# Altium PCB Mag256_9mm.PcbDoc (part 5 of 6) (continued)
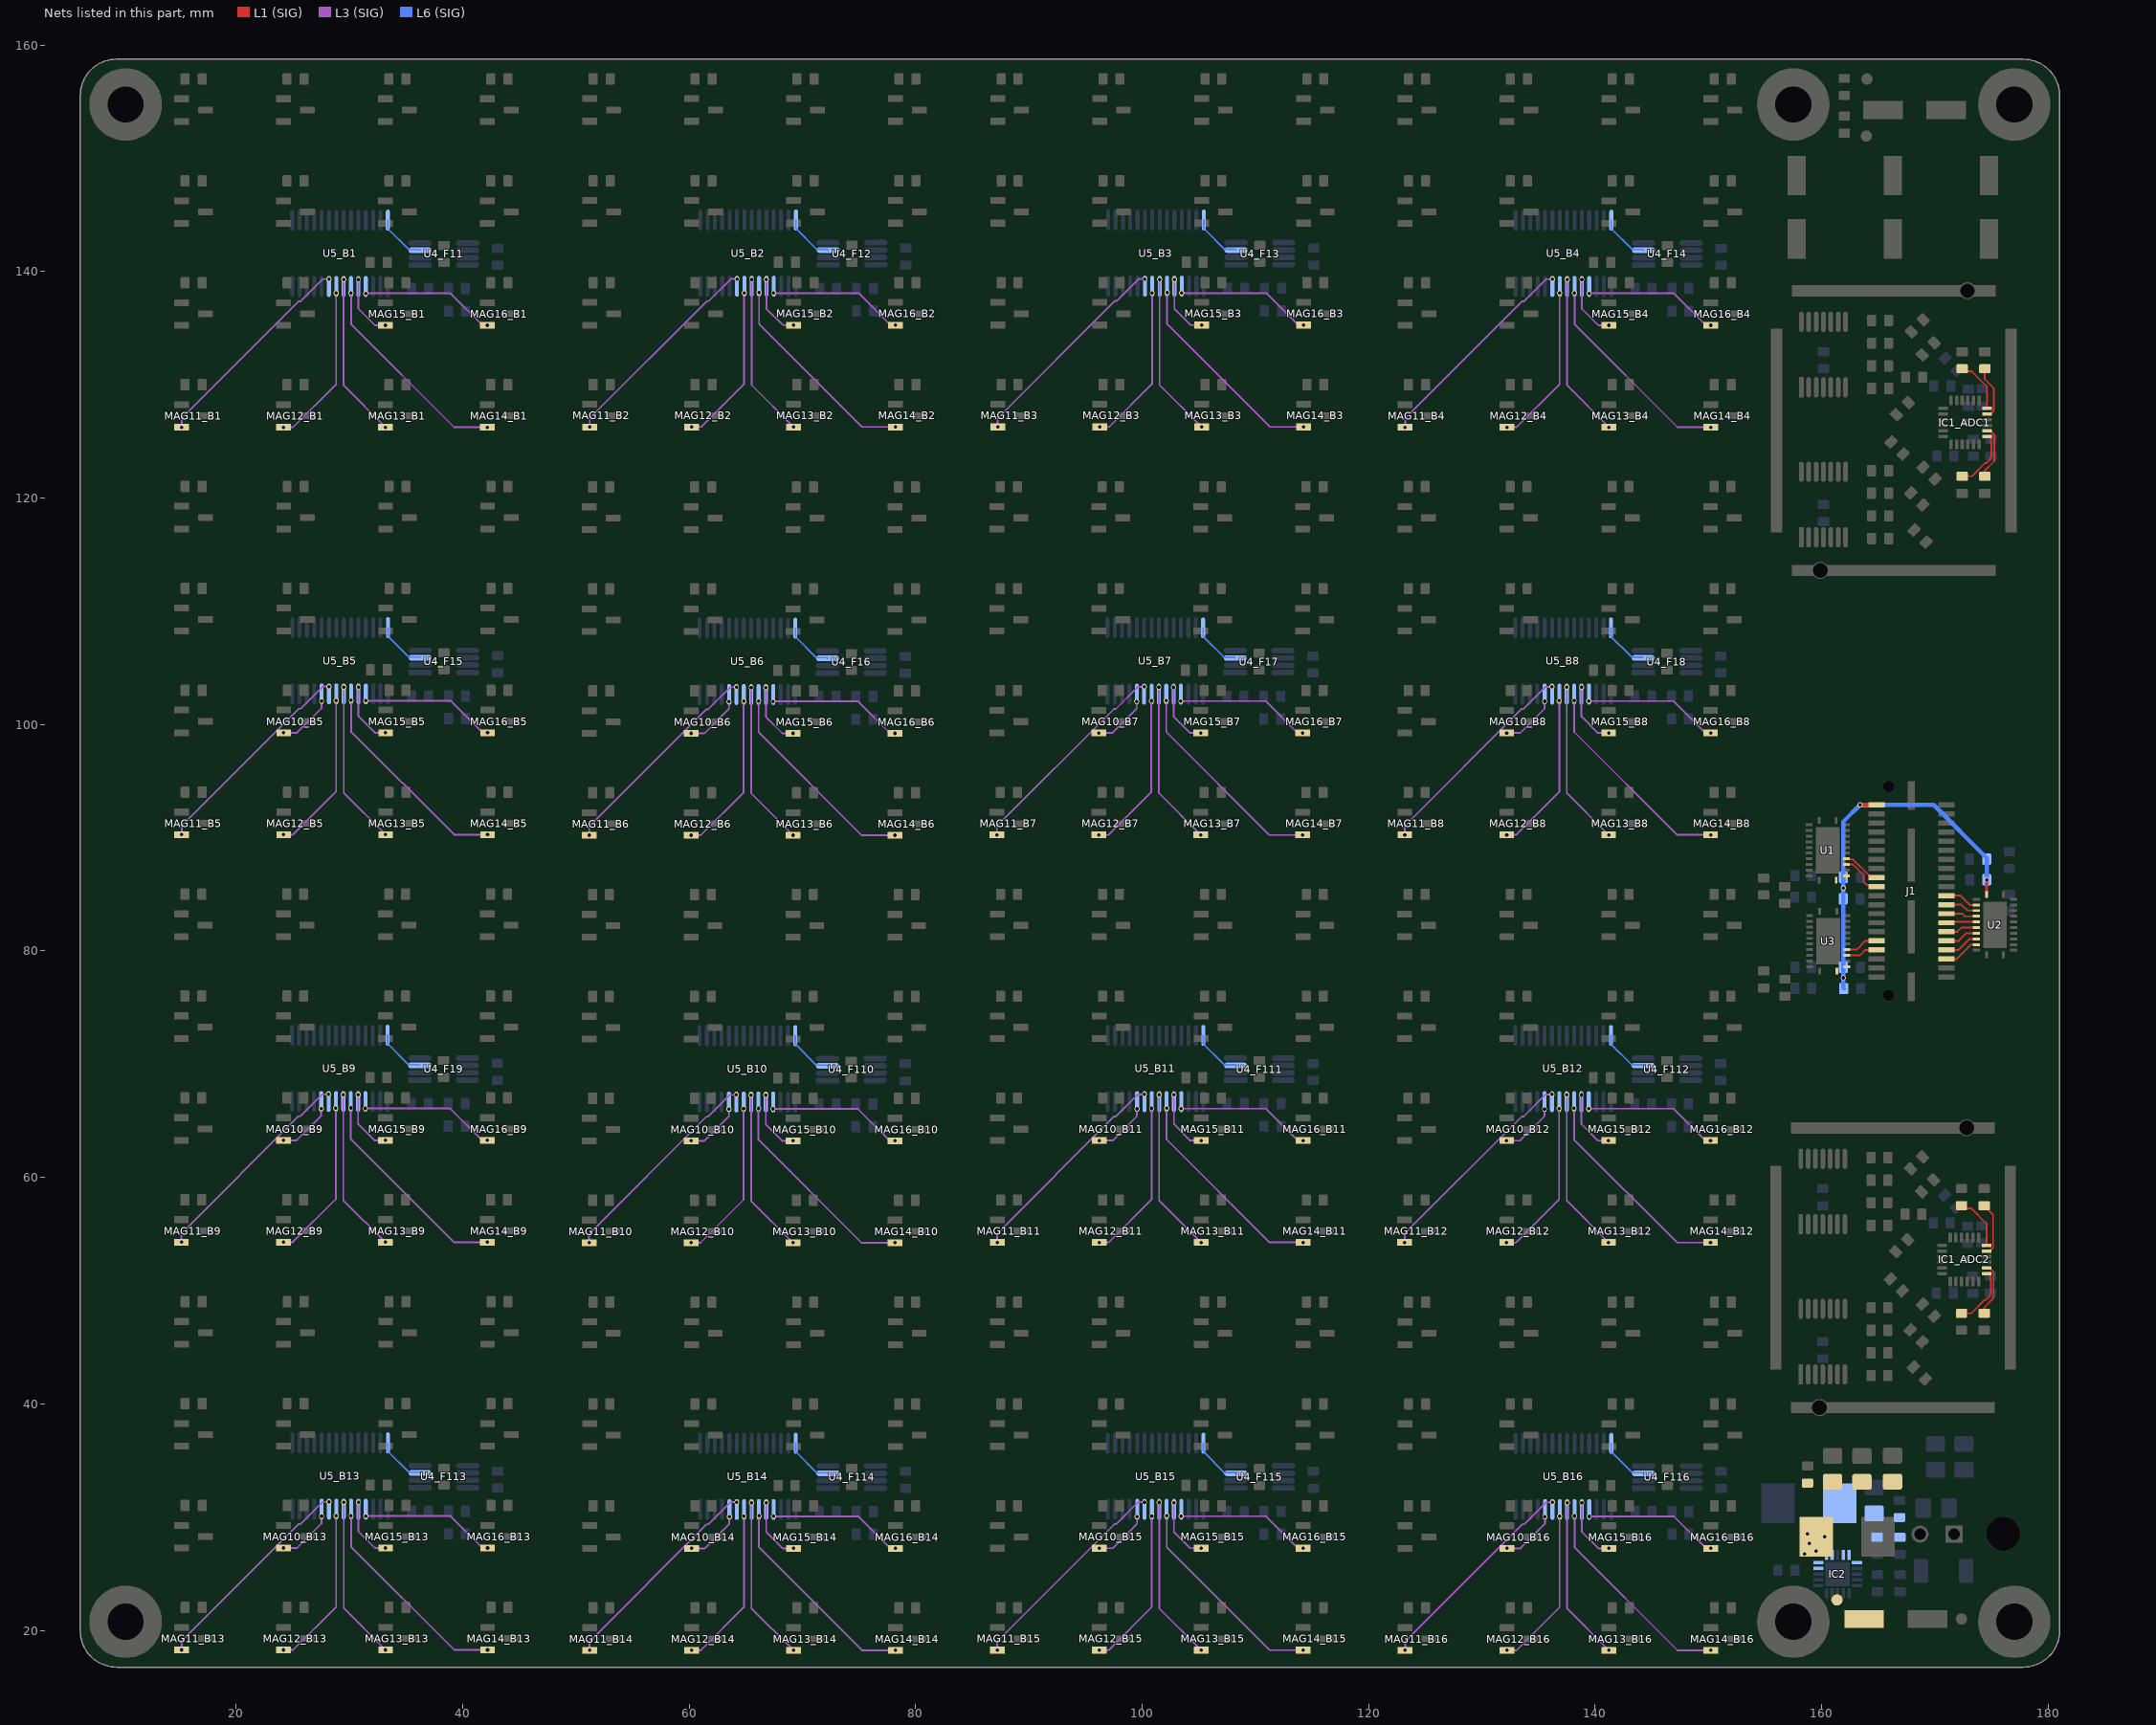
[diagram p9: the nets of this part, all layers, seen from the top]
## Nets (pads, with @x,y where several pads share a name; then routed paths per layer and width w, separated by ;. In a path a pad name is that pad's centre, name@x,y a point inside that pad or via, vN(x,y) a via of type N, cw(c..) or ccw(c..) an arc to the next point about the centre after c; other vN are vias at no path point) (continued)
  L1 (SIG) w0.254: U2.1@174.559,84.97 v1@174.559,86.278
  L1 (SIG) w0.381: v1(163.378,92.887) J1.39@164.834,92.887
  L6 (SIG) w0.381: C34.2@161.94,76.68 161.915,76.705 C33.2@161.915,78.555 161.908,78.562 161.908,84.605 161.913,84.61 161.913,86.475 C25.2@161.926,86.487 161.926,91.435 v1(163.378,92.887) 169.894,92.887 174.565,88.216 C30.2@174.565,88.116 174.566,88.115 v1(174.568,86.286) v1(174.568,86.286)
  other v1: 161.915,77.63 161.913,85.543
Vout: C39.2 C40.2 C45.2 IC2.1 IC2.19 IC2.20 L2.2 R9.2
pads on no net: IC2.5 IC2.12 J1. J1.1 J1.2 J1.3 J1.4 J1.22 J1.24 J1.26 J1.28 J1.30 J1.32 J1.33 J1.34 J1.35 J1.36 J1.37 J1.38 J1.40 J2.3 U1.14 U3.14 U5_B1.2 U5_B1.3 U5_B1.13 U5_B2.2 U5_B2.3 U5_B2.13 U5_B3.2 U5_B3.3 U5_B3.13 U5_B4.2 U5_B4.3 U5_B4.13 U5_B5.2 U5_B5.3 U5_B5.13 U5_B6.2 U5_B6.3 U5_B6.13 U5_B7.2 U5_B7.3 U5_B7.13 U5_B8.2 U5_B8.3 U5_B8.13 U5_B9.2 U5_B9.3 U5_B9.13 U5_B10.2 U5_B10.3 U5_B10.13 U5_B11.2 U5_B11.3 U5_B11.13 U5_B12.2 U5_B12.3 U5_B12.13 U5_B13.2 U5_B13.3 U5_B13.13 U5_B14.2 U5_B14.3 U5_B14.13 U5_B15.2 U5_B15.3 U5_B15.13 U5_B16.2 U5_B16.3 U5_B16.13

## Polygon pours and split planes (outlines as drawn)
GND on L1 (SIG) "NONET_L-01_P-001" (solid, remove dead copper, pour order 642): 1.5,163.25 186.5,163.25 186.5,10.75 1.5,10.75
+3V3 on L1 (SIG) "NONET_L-01_P-001" (solid, pour order 357): 175.926,86.712 175.926,84.662 176.426,84.662 176.651,84.437 177.251,84.437 177.251,86.712
+3V3 on L1 (SIG) "NONET_L-01_P-001" (solid, pour order 360): 159.176,86.762 159.176,86.612 159.251,86.537 159.901,86.537 159.901,85.337 159.576,85.012 158.826,85.012 158.576,85.262 158.576,86.762
VIO on L1 (SIG) "NONET_L-01_P-001" (solid, pour order 361): 161.151,86.537 161.651,86.537 161.876,86.762 162.476,86.762 162.476,85.337 162.176,85.037 161.501,85.037 161.151,85.387
+3V3 on L1 (SIG) "NONET_L-01_P-001" (solid, pour order 362): 159.226,78.737 159.226,78.587 159.301,78.512 159.951,78.512 159.951,77.312 159.626,76.987 158.876,76.987 158.626,77.237 158.626,78.737
VIO on L1 (SIG) "NONET_L-01_P-001" (solid, pour order 363): 161.201,78.512 161.701,78.512 161.926,78.737 162.526,78.737 162.526,77.312 162.226,77.012 161.551,77.012 161.201,77.362
VCC on L1 (SIG) "NONET_L-01_P-001" (solid, pour order 639): 158,25.25 162,21.25 162,20.25 165.5,20.25 165.5,21.75 163,21.75 159.75,25.25
VCC on L1 (SIG) "NONET_L-01_P-001" (solid, pour order 638): 158,25.25 160.25,25.25 160.25,29.25 163.5,32.5 167,32.5 167,33.75 159.75,33.75 159.5,33.5 158.25,33.5 158.25,31.75 158,31.5
+3V3 on L1 (SIG) "NONET_L-01_P-001" (solid, pour order 637): 140.39,31.984 140.774,32.368 140.774,33.484 142.024,33.484 142.024,31.984
+3V3 on L1 (SIG) "NONET_L-01_P-001" (solid, pour order 541): 142.024,28.734 142.024,31.984 140.39,31.984 140.39,28.734
+3V3 on L1 (SIG) "NONET_L-01_P-001" (solid, pour order 621): 151.024,19.734 151.024,22.641 149.39,22.641 149.39,19.734
+3V3 on L1 (SIG) "NONET_L-01_P-001" (solid, pour order 605): 142.024,19.734 142.024,22.641 140.39,22.641 140.39,19.734
+3V3 on L1 (SIG) "NONET_L-01_P-001" (solid, pour order 589): 133.024,19.734 133.024,22.641 131.39,22.641 131.39,19.734
+3V3 on L1 (SIG) "NONET_L-01_P-001" (solid, pour order 573): 124.024,19.734 124.024,22.641 122.39,22.641 122.39,19.734
+3V3 on L1 (SIG) "NONET_L-01_P-001" (solid, pour order 557): 151.024,28.734 151.024,31.641 149.39,31.641 149.39,28.734
+3V3 on L1 (SIG) "NONET_L-01_P-001" (solid, pour order 525): 133.024,28.734 133.024,31.641 131.39,31.641 131.39,28.734
+3V3 on L1 (SIG) "NONET_L-01_P-001" (solid, pour order 509): 124.024,28.734 124.024,31.641 122.39,31.641 122.39,28.734
+3V3 on L1 (SIG) "NONET_L-01_P-001" (solid, pour order 493): 124.024,37.734 124.024,40.641 122.39,40.641 122.39,37.734
+3V3 on L1 (SIG) "NONET_L-01_P-001" (solid, pour order 477): 133.024,37.734 133.024,40.641 131.39,40.641 131.39,37.734
+3V3 on L1 (SIG) "NONET_L-01_P-001" (solid, pour order 461): 142.024,37.734 142.024,40.641 140.39,40.641 140.39,37.734
+3V3 on L1 (SIG) "NONET_L-01_P-001" (solid, pour order 445): 151.024,37.734 151.024,40.641 149.39,40.641 149.39,37.734
+3V3 on L1 (SIG) "NONET_L-01_P-001" (solid, pour order 429): 151.024,46.734 151.024,49.641 149.39,49.641 149.39,46.734
+3V3 on L1 (SIG) "NONET_L-01_P-001" (solid, pour order 413): 142.024,46.734 142.024,49.641 140.39,49.641 140.39,46.734
+3V3 on L1 (SIG) "NONET_L-01_P-001" (solid, pour order 397): 133.024,46.734 133.024,49.641 131.39,49.641 131.39,46.734
+3V3 on L1 (SIG) "NONET_L-01_P-001" (solid, pour order 381): 124.024,46.734 124.024,49.641 122.39,49.641 122.39,46.734
+3V3 on L1 (SIG) "NONET_L-01_P-001" (solid, pour order 636): 104.376,31.999 104.761,32.383 104.761,33.499 106.011,33.499 106.011,31.999
+3V3 on L1 (SIG) "NONET_L-01_P-001" (solid, pour order 540): 106.011,28.749 106.011,31.999 104.376,31.999 104.376,28.749
+3V3 on L1 (SIG) "NONET_L-01_P-001" (solid, pour order 620): 115.011,19.749 115.011,22.656 113.376,22.656 113.376,19.749
+3V3 on L1 (SIG) "NONET_L-01_P-001" (solid, pour order 604): 106.011,19.749 106.011,22.656 104.376,22.656 104.376,19.749
+3V3 on L1 (SIG) "NONET_L-01_P-001" (solid, pour order 588): 97.011,19.749 97.011,22.656 95.376,22.656 95.376,19.749
+3V3 on L1 (SIG) "NONET_L-01_P-001" (solid, pour order 572): 88.011,19.749 88.011,22.656 86.376,22.656 86.376,19.749
+3V3 on L1 (SIG) "NONET_L-01_P-001" (solid, pour order 556): 115.011,28.749 115.011,31.656 113.376,31.656 113.376,28.749
+3V3 on L1 (SIG) "NONET_L-01_P-001" (solid, pour order 524): 97.011,28.749 97.011,31.656 95.376,31.656 95.376,28.749
+3V3 on L1 (SIG) "NONET_L-01_P-001" (solid, pour order 508): 88.011,28.749 88.011,31.656 86.376,31.656 86.376,28.749
+3V3 on L1 (SIG) "NONET_L-01_P-001" (solid, pour order 492): 88.011,37.749 88.011,40.656 86.376,40.656 86.376,37.749
+3V3 on L1 (SIG) "NONET_L-01_P-001" (solid, pour order 476): 97.011,37.749 97.011,40.656 95.376,40.656 95.376,37.749
+3V3 on L1 (SIG) "NONET_L-01_P-001" (solid, pour order 460): 106.011,37.749 106.011,40.656 104.376,40.656 104.376,37.749
+3V3 on L1 (SIG) "NONET_L-01_P-001" (solid, pour order 444): 115.011,37.749 115.011,40.656 113.376,40.656 113.376,37.749
+3V3 on L1 (SIG) "NONET_L-01_P-001" (solid, pour order 428): 115.011,46.749 115.011,49.656 113.376,49.656 113.376,46.749
+3V3 on L1 (SIG) "NONET_L-01_P-001" (solid, pour order 412): 106.011,46.749 106.011,49.656 104.376,49.656 104.376,46.749
+3V3 on L1 (SIG) "NONET_L-01_P-001" (solid, pour order 396): 97.011,46.749 97.011,49.656 95.376,49.656 95.376,46.749
+3V3 on L1 (SIG) "NONET_L-01_P-001" (solid, pour order 380): 88.011,46.749 88.011,49.656 86.376,49.656 86.376,46.749
+3V3 on L1 (SIG) "NONET_L-01_P-001" (solid, pour order 635): 68.377,31.991 68.762,32.375 68.762,33.491 70.012,33.491 70.012,31.991
+3V3 on L1 (SIG) "NONET_L-01_P-001" (solid, pour order 539): 70.012,28.741 70.012,31.991 68.377,31.991 68.377,28.741
+3V3 on L1 (SIG) "NONET_L-01_P-001" (solid, pour order 619): 79.012,19.741 79.012,22.648 77.377,22.648 77.377,19.741
+3V3 on L1 (SIG) "NONET_L-01_P-001" (solid, pour order 603): 70.012,19.741 70.012,22.648 68.377,22.648 68.377,19.741
+3V3 on L1 (SIG) "NONET_L-01_P-001" (solid, pour order 587): 61.012,19.741 61.012,22.648 59.377,22.648 59.377,19.741
+3V3 on L1 (SIG) "NONET_L-01_P-001" (solid, pour order 571): 52.012,19.741 52.012,22.648 50.377,22.648 50.377,19.741
+3V3 on L1 (SIG) "NONET_L-01_P-001" (solid, pour order 555): 79.012,28.741 79.012,31.648 77.377,31.648 77.377,28.741
+3V3 on L1 (SIG) "NONET_L-01_P-001" (solid, pour order 523): 61.012,28.741 61.012,31.648 59.377,31.648 59.377,28.741
+3V3 on L1 (SIG) "NONET_L-01_P-001" (solid, pour order 507): 52.012,28.741 52.012,31.648 50.377,31.648 50.377,28.741
+3V3 on L1 (SIG) "NONET_L-01_P-001" (solid, pour order 491): 52.012,37.741 52.012,40.648 50.377,40.648 50.377,37.741
+3V3 on L1 (SIG) "NONET_L-01_P-001" (solid, pour order 475): 61.012,37.741 61.012,40.648 59.377,40.648 59.377,37.741
+3V3 on L1 (SIG) "NONET_L-01_P-001" (solid, pour order 459): 70.012,37.741 70.012,40.648 68.377,40.648 68.377,37.741
+3V3 on L1 (SIG) "NONET_L-01_P-001" (solid, pour order 443): 79.012,37.741 79.012,40.648 77.377,40.648 77.377,37.741
+3V3 on L1 (SIG) "NONET_L-01_P-001" (solid, pour order 427): 79.012,46.741 79.012,49.648 77.377,49.648 77.377,46.741
+3V3 on L1 (SIG) "NONET_L-01_P-001" (solid, pour order 411): 70.012,46.741 70.012,49.648 68.377,49.648 68.377,46.741
+3V3 on L1 (SIG) "NONET_L-01_P-001" (solid, pour order 395): 61.012,46.741 61.012,49.648 59.377,49.648 59.377,46.741
+3V3 on L1 (SIG) "NONET_L-01_P-001" (solid, pour order 379): 52.012,46.741 52.012,49.648 50.377,49.648 50.377,46.741
+3V3 on L1 (SIG) "NONET_L-01_P-001" (solid, pour order 634): 32.37,32.021 32.755,32.406 32.755,33.521 34.005,33.521 34.005,32.021
+3V3 on L1 (SIG) "NONET_L-01_P-001" (solid, pour order 538): 34.005,28.771 34.005,32.021 32.37,32.021 32.37,28.771
+3V3 on L1 (SIG) "NONET_L-01_P-001" (solid, pour order 618): 43.005,19.771 43.005,22.678 41.37,22.678 41.37,19.771
+3V3 on L1 (SIG) "NONET_L-01_P-001" (solid, pour order 602): 34.005,19.771 34.005,22.678 32.37,22.678 32.37,19.771
+3V3 on L1 (SIG) "NONET_L-01_P-001" (solid, pour order 586): 25.005,19.771 25.005,22.678 23.37,22.678 23.37,19.771
+3V3 on L1 (SIG) "NONET_L-01_P-001" (solid, pour order 570): 16.005,19.771 16.005,22.678 14.37,22.678 14.37,19.771
+3V3 on L1 (SIG) "NONET_L-01_P-001" (solid, pour order 554): 43.005,28.771 43.005,31.678 41.37,31.678 41.37,28.771
+3V3 on L1 (SIG) "NONET_L-01_P-001" (solid, pour order 522): 25.005,28.771 25.005,31.678 23.37,31.678 23.37,28.771
+3V3 on L1 (SIG) "NONET_L-01_P-001" (solid, pour order 506): 16.005,28.771 16.005,31.678 14.37,31.678 14.37,28.771
+3V3 on L1 (SIG) "NONET_L-01_P-001" (solid, pour order 490): 16.005,37.771 16.005,40.678 14.37,40.678 14.37,37.771
+3V3 on L1 (SIG) "NONET_L-01_P-001" (solid, pour order 474): 25.005,37.771 25.005,40.678 23.37,40.678 23.37,37.771
+3V3 on L1 (SIG) "NONET_L-01_P-001" (solid, pour order 458): 34.005,37.771 34.005,40.678 32.37,40.678 32.37,37.771
+3V3 on L1 (SIG) "NONET_L-01_P-001" (solid, pour order 442): 43.005,37.771 43.005,40.678 41.37,40.678 41.37,37.771
+3V3 on L1 (SIG) "NONET_L-01_P-001" (solid, pour order 426): 43.005,46.771 43.005,49.678 41.37,49.678 41.37,46.771
+3V3 on L1 (SIG) "NONET_L-01_P-001" (solid, pour order 410): 34.005,46.771 34.005,49.678 32.37,49.678 32.37,46.771
+3V3 on L1 (SIG) "NONET_L-01_P-001" (solid, pour order 394): 25.005,46.771 25.005,49.678 23.37,49.678 23.37,46.771
+3V3 on L1 (SIG) "NONET_L-01_P-001" (solid, pour order 378): 16.005,46.771 16.005,49.678 14.37,49.678 14.37,46.771
+3V3 on L1 (SIG) "NONET_L-01_P-001" (solid, pour order 633): 140.352,68.001 140.736,68.385 140.736,69.501 141.986,69.501 141.986,68.001
+3V3 on L1 (SIG) "NONET_L-01_P-001" (solid, pour order 537): 141.986,64.751 141.986,68.001 140.352,68.001 140.352,64.751
+3V3 on L1 (SIG) "NONET_L-01_P-001" (solid, pour order 617): 150.986,55.751 150.986,58.658 149.352,58.658 149.352,55.751
+3V3 on L1 (SIG) "NONET_L-01_P-001" (solid, pour order 601): 141.986,55.751 141.986,58.658 140.352,58.658 140.352,55.751
+3V3 on L1 (SIG) "NONET_L-01_P-001" (solid, pour order 585): 132.986,55.751 132.986,58.658 131.352,58.658 131.352,55.751
+3V3 on L1 (SIG) "NONET_L-01_P-001" (solid, pour order 569): 123.986,55.751 123.986,58.658 122.352,58.658 122.352,55.751
+3V3 on L1 (SIG) "NONET_L-01_P-001" (solid, pour order 553): 150.986,64.751 150.986,67.658 149.352,67.658 149.352,64.751
+3V3 on L1 (SIG) "NONET_L-01_P-001" (solid, pour order 521): 132.986,64.751 132.986,67.658 131.352,67.658 131.352,64.751
+3V3 on L1 (SIG) "NONET_L-01_P-001" (solid, pour order 505): 123.986,64.751 123.986,67.658 122.352,67.658 122.352,64.751
+3V3 on L1 (SIG) "NONET_L-01_P-001" (solid, pour order 489): 123.986,73.751 123.986,76.658 122.352,76.658 122.352,73.751
+3V3 on L1 (SIG) "NONET_L-01_P-001" (solid, pour order 473): 132.986,73.751 132.986,76.658 131.352,76.658 131.352,73.751
+3V3 on L1 (SIG) "NONET_L-01_P-001" (solid, pour order 457): 141.986,73.751 141.986,76.658 140.352,76.658 140.352,73.751
+3V3 on L1 (SIG) "NONET_L-01_P-001" (solid, pour order 441): 150.986,73.751 150.986,76.658 149.352,76.658 149.352,73.751
+3V3 on L1 (SIG) "NONET_L-01_P-001" (solid, pour order 425): 150.986,82.751 150.986,85.658 149.352,85.658 149.352,82.751
+3V3 on L1 (SIG) "NONET_L-01_P-001" (solid, pour order 409): 141.986,82.751 141.986,85.658 140.352,85.658 140.352,82.751
+3V3 on L1 (SIG) "NONET_L-01_P-001" (solid, pour order 393): 132.986,82.751 132.986,85.658 131.352,85.658 131.352,82.751
+3V3 on L1 (SIG) "NONET_L-01_P-001" (solid, pour order 377): 123.986,82.751 123.986,85.658 122.352,85.658 122.352,82.751
+3V3 on L1 (SIG) "NONET_L-01_P-001" (solid, pour order 632): 104.371,68.007 104.755,68.391 104.755,69.507 106.005,69.507 106.005,68.007
+3V3 on L1 (SIG) "NONET_L-01_P-001" (solid, pour order 536): 106.005,64.757 106.005,68.007 104.371,68.007 104.371,64.757
+3V3 on L1 (SIG) "NONET_L-01_P-001" (solid, pour order 616): 115.005,55.757 115.005,58.664 113.371,58.664 113.371,55.757
+3V3 on L1 (SIG) "NONET_L-01_P-001" (solid, pour order 600): 106.005,55.757 106.005,58.664 104.371,58.664 104.371,55.757
+3V3 on L1 (SIG) "NONET_L-01_P-001" (solid, pour order 584): 97.005,55.757 97.005,58.664 95.371,58.664 95.371,55.757
+3V3 on L1 (SIG) "NONET_L-01_P-001" (solid, pour order 568): 88.005,55.757 88.005,58.664 86.371,58.664 86.371,55.757
+3V3 on L1 (SIG) "NONET_L-01_P-001" (solid, pour order 552): 115.005,64.757 115.005,67.664 113.371,67.664 113.371,64.757
+3V3 on L1 (SIG) "NONET_L-01_P-001" (solid, pour order 520): 97.005,64.757 97.005,67.664 95.371,67.664 95.371,64.757
+3V3 on L1 (SIG) "NONET_L-01_P-001" (solid, pour order 504): 88.005,64.757 88.005,67.664 86.371,67.664 86.371,64.757
+3V3 on L1 (SIG) "NONET_L-01_P-001" (solid, pour order 488): 88.005,73.757 88.005,76.664 86.371,76.664 86.371,73.757
+3V3 on L1 (SIG) "NONET_L-01_P-001" (solid, pour order 472): 97.005,73.757 97.005,76.664 95.371,76.664 95.371,73.757
+3V3 on L1 (SIG) "NONET_L-01_P-001" (solid, pour order 456): 106.005,73.757 106.005,76.664 104.371,76.664 104.371,73.757
+3V3 on L1 (SIG) "NONET_L-01_P-001" (solid, pour order 440): 115.005,73.757 115.005,76.664 113.371,76.664 113.371,73.757
+3V3 on L1 (SIG) "NONET_L-01_P-001" (solid, pour order 424): 115.005,82.757 115.005,85.664 113.371,85.664 113.371,82.757
+3V3 on L1 (SIG) "NONET_L-01_P-001" (solid, pour order 408): 106.005,82.757 106.005,85.664 104.371,85.664 104.371,82.757
+3V3 on L1 (SIG) "NONET_L-01_P-001" (solid, pour order 392): 97.005,82.757 97.005,85.664 95.371,85.664 95.371,82.757
+3V3 on L1 (SIG) "NONET_L-01_P-001" (solid, pour order 376): 88.005,82.757 88.005,85.664 86.371,85.664 86.371,82.757
+3V3 on L1 (SIG) "NONET_L-01_P-001" (solid, pour order 631): 68.34,67.977 68.724,68.362 68.724,69.477 69.974,69.477 69.974,67.977
+3V3 on L1 (SIG) "NONET_L-01_P-001" (solid, pour order 535): 69.974,64.727 69.974,67.977 68.34,67.977 68.34,64.727
+3V3 on L1 (SIG) "NONET_L-01_P-001" (solid, pour order 615): 78.974,55.727 78.974,58.634 77.34,58.634 77.34,55.727
+3V3 on L1 (SIG) "NONET_L-01_P-001" (solid, pour order 599): 69.974,55.727 69.974,58.634 68.34,58.634 68.34,55.727
+3V3 on L1 (SIG) "NONET_L-01_P-001" (solid, pour order 583): 60.974,55.727 60.974,58.634 59.34,58.634 59.34,55.727
+3V3 on L1 (SIG) "NONET_L-01_P-001" (solid, pour order 567): 51.974,55.727 51.974,58.634 50.34,58.634 50.34,55.727
+3V3 on L1 (SIG) "NONET_L-01_P-001" (solid, pour order 551): 78.974,64.727 78.974,67.634 77.34,67.634 77.34,64.727
+3V3 on L1 (SIG) "NONET_L-01_P-001" (solid, pour order 519): 60.974,64.727 60.974,67.634 59.34,67.634 59.34,64.727
+3V3 on L1 (SIG) "NONET_L-01_P-001" (solid, pour order 503): 51.974,64.727 51.974,67.634 50.34,67.634 50.34,64.727
+3V3 on L1 (SIG) "NONET_L-01_P-001" (solid, pour order 487): 51.974,73.727 51.974,76.634 50.34,76.634 50.34,73.727
+3V3 on L1 (SIG) "NONET_L-01_P-001" (solid, pour order 471): 60.974,73.727 60.974,76.634 59.34,76.634 59.34,73.727
+3V3 on L1 (SIG) "NONET_L-01_P-001" (solid, pour order 455): 69.974,73.727 69.974,76.634 68.34,76.634 68.34,73.727
+3V3 on L1 (SIG) "NONET_L-01_P-001" (solid, pour order 439): 78.974,73.727 78.974,76.634 77.34,76.634 77.34,73.727
+3V3 on L1 (SIG) "NONET_L-01_P-001" (solid, pour order 423): 78.974,82.727 78.974,85.634 77.34,85.634 77.34,82.727
+3V3 on L1 (SIG) "NONET_L-01_P-001" (solid, pour order 407): 69.974,82.727 69.974,85.634 68.34,85.634 68.34,82.727
+3V3 on L1 (SIG) "NONET_L-01_P-001" (solid, pour order 391): 60.974,82.727 60.974,85.634 59.34,85.634 59.34,82.727
+3V3 on L1 (SIG) "NONET_L-01_P-001" (solid, pour order 375): 51.974,82.727 51.974,85.634 50.34,85.634 50.34,82.727
+3V3 on L1 (SIG) "NONET_L-01_P-001" (solid, pour order 630): 32.339,68.02 32.723,68.405 32.723,69.52 33.973,69.52 33.973,68.02
+3V3 on L1 (SIG) "NONET_L-01_P-001" (solid, pour order 534): 33.973,64.77 33.973,68.02 32.339,68.02 32.339,64.77
+3V3 on L1 (SIG) "NONET_L-01_P-001" (solid, pour order 614): 42.973,55.77 42.973,58.677 41.339,58.677 41.339,55.77
+3V3 on L1 (SIG) "NONET_L-01_P-001" (solid, pour order 598): 33.973,55.77 33.973,58.677 32.339,58.677 32.339,55.77
+3V3 on L1 (SIG) "NONET_L-01_P-001" (solid, pour order 582): 24.973,55.77 24.973,58.677 23.339,58.677 23.339,55.77
+3V3 on L1 (SIG) "NONET_L-01_P-001" (solid, pour order 566): 15.973,55.77 15.973,58.677 14.339,58.677 14.339,55.77
+3V3 on L1 (SIG) "NONET_L-01_P-001" (solid, pour order 550): 42.973,64.77 42.973,67.677 41.339,67.677 41.339,64.77
+3V3 on L1 (SIG) "NONET_L-01_P-001" (solid, pour order 518): 24.973,64.77 24.973,67.677 23.339,67.677 23.339,64.77
+3V3 on L1 (SIG) "NONET_L-01_P-001" (solid, pour order 502): 15.973,64.77 15.973,67.677 14.339,67.677 14.339,64.77
+3V3 on L1 (SIG) "NONET_L-01_P-001" (solid, pour order 486): 15.973,73.77 15.973,76.677 14.339,76.677 14.339,73.77
+3V3 on L1 (SIG) "NONET_L-01_P-001" (solid, pour order 470): 24.973,73.77 24.973,76.677 23.339,76.677 23.339,73.77
+3V3 on L1 (SIG) "NONET_L-01_P-001" (solid, pour order 454): 33.973,73.77 33.973,76.677 32.339,76.677 32.339,73.77
+3V3 on L1 (SIG) "NONET_L-01_P-001" (solid, pour order 438): 42.973,73.77 42.973,76.677 41.339,76.677 41.339,73.77
+3V3 on L1 (SIG) "NONET_L-01_P-001" (solid, pour order 422): 42.973,82.77 42.973,85.677 41.339,85.677 41.339,82.77
+3V3 on L1 (SIG) "NONET_L-01_P-001" (solid, pour order 406): 33.973,82.77 33.973,85.677 32.339,85.677 32.339,82.77
+3V3 on L1 (SIG) "NONET_L-01_P-001" (solid, pour order 390): 24.973,82.77 24.973,85.677 23.339,85.677 23.339,82.77
+3V3 on L1 (SIG) "NONET_L-01_P-001" (solid, pour order 374): 15.973,82.77 15.973,85.677 14.339,85.677 14.339,82.77
+3V3 on L1 (SIG) "NONET_L-01_P-001" (solid, pour order 629): 140.357,104.001 140.742,104.385 140.742,105.501 141.992,105.501 141.992,104.001
+3V3 on L1 (SIG) "NONET_L-01_P-001" (solid, pour order 533): 141.992,100.751 141.992,104.001 140.357,104.001 140.357,100.751
+3V3 on L1 (SIG) "NONET_L-01_P-001" (solid, pour order 613): 150.992,91.751 150.992,94.658 149.357,94.658 149.357,91.751
+3V3 on L1 (SIG) "NONET_L-01_P-001" (solid, pour order 597): 141.992,91.751 141.992,94.658 140.357,94.658 140.357,91.751
+3V3 on L1 (SIG) "NONET_L-01_P-001" (solid, pour order 581): 132.992,91.751 132.992,94.658 131.357,94.658 131.357,91.751
+3V3 on L1 (SIG) "NONET_L-01_P-001" (solid, pour order 565): 123.992,91.751 123.992,94.658 122.357,94.658 122.357,91.751
+3V3 on L1 (SIG) "NONET_L-01_P-001" (solid, pour order 549): 150.992,100.751 150.992,103.658 149.357,103.658 149.357,100.751
+3V3 on L1 (SIG) "NONET_L-01_P-001" (solid, pour order 517): 132.992,100.751 132.992,103.658 131.357,103.658 131.357,100.751
+3V3 on L1 (SIG) "NONET_L-01_P-001" (solid, pour order 501): 123.992,100.751 123.992,103.658 122.357,103.658 122.357,100.751
+3V3 on L1 (SIG) "NONET_L-01_P-001" (solid, pour order 485): 123.992,109.751 123.992,112.658 122.357,112.658 122.357,109.751
+3V3 on L1 (SIG) "NONET_L-01_P-001" (solid, pour order 469): 132.992,109.751 132.992,112.658 131.357,112.658 131.357,109.751
+3V3 on L1 (SIG) "NONET_L-01_P-001" (solid, pour order 453): 141.992,109.751 141.992,112.658 140.357,112.658 140.357,109.751
+3V3 on L1 (SIG) "NONET_L-01_P-001" (solid, pour order 437): 150.992,109.751 150.992,112.658 149.357,112.658 149.357,109.751
+3V3 on L1 (SIG) "NONET_L-01_P-001" (solid, pour order 421): 150.992,118.751 150.992,121.658 149.357,121.658 149.357,118.751
+3V3 on L1 (SIG) "NONET_L-01_P-001" (solid, pour order 405): 141.992,118.751 141.992,121.658 140.357,121.658 140.357,118.751
+3V3 on L1 (SIG) "NONET_L-01_P-001" (solid, pour order 389): 132.992,118.751 132.992,121.658 131.357,121.658 131.357,118.751
+3V3 on L1 (SIG) "NONET_L-01_P-001" (solid, pour order 373): 123.992,118.751 123.992,121.658 122.357,121.658 122.357,118.751
+3V3 on L1 (SIG) "NONET_L-01_P-001" (solid, pour order 628): 104.345,103.996 104.729,104.381 104.729,105.496 105.979,105.496 105.979,103.996
+3V3 on L1 (SIG) "NONET_L-01_P-001" (solid, pour order 532): 105.979,100.746 105.979,103.996 104.345,103.996 104.345,100.746
+3V3 on L1 (SIG) "NONET_L-01_P-001" (solid, pour order 612): 114.979,91.746 114.979,94.654 113.345,94.654 113.345,91.746
+3V3 on L1 (SIG) "NONET_L-01_P-001" (solid, pour order 596): 105.979,91.746 105.979,94.654 104.345,94.654 104.345,91.746
+3V3 on L1 (SIG) "NONET_L-01_P-001" (solid, pour order 580): 96.979,91.746 96.979,94.654 95.345,94.654 95.345,91.746
+3V3 on L1 (SIG) "NONET_L-01_P-001" (solid, pour order 564): 87.979,91.746 87.979,94.654 86.345,94.654 86.345,91.746
+3V3 on L1 (SIG) "NONET_L-01_P-001" (solid, pour order 548): 114.979,100.746 114.979,103.654 113.345,103.654 113.345,100.746
+3V3 on L1 (SIG) "NONET_L-01_P-001" (solid, pour order 516): 96.979,100.746 96.979,103.654 95.345,103.654 95.345,100.746
+3V3 on L1 (SIG) "NONET_L-01_P-001" (solid, pour order 500): 87.979,100.746 87.979,103.654 86.345,103.654 86.345,100.746
+3V3 on L1 (SIG) "NONET_L-01_P-001" (solid, pour order 484): 87.979,109.746 87.979,112.654 86.345,112.654 86.345,109.746
+3V3 on L1 (SIG) "NONET_L-01_P-001" (solid, pour order 468): 96.979,109.746 96.979,112.654 95.345,112.654 95.345,109.746
+3V3 on L1 (SIG) "NONET_L-01_P-001" (solid, pour order 452): 105.979,109.746 105.979,112.654 104.345,112.654 104.345,109.746
+3V3 on L1 (SIG) "NONET_L-01_P-001" (solid, pour order 436): 114.979,109.746 114.979,112.654 113.345,112.654 113.345,109.746
+3V3 on L1 (SIG) "NONET_L-01_P-001" (solid, pour order 420): 114.979,118.746 114.979,121.654 113.345,121.654 113.345,118.746
+3V3 on L1 (SIG) "NONET_L-01_P-001" (solid, pour order 404): 105.979,118.746 105.979,121.654 104.345,121.654 104.345,118.746
+3V3 on L1 (SIG) "NONET_L-01_P-001" (solid, pour order 388): 96.979,118.746 96.979,121.654 95.345,121.654 95.345,118.746
+3V3 on L1 (SIG) "NONET_L-01_P-001" (solid, pour order 372): 87.979,118.746 87.979,121.654 86.345,121.654 86.345,118.746
+3V3 on L1 (SIG) "NONET_L-01_P-001" (solid, pour order 627): 68.349,103.965 68.733,104.35 68.733,105.465 69.983,105.465 69.983,103.965
+3V3 on L1 (SIG) "NONET_L-01_P-001" (solid, pour order 531): 69.983,100.715 69.983,103.965 68.349,103.965 68.349,100.715
+3V3 on L1 (SIG) "NONET_L-01_P-001" (solid, pour order 611): 78.983,91.715 78.983,94.622 77.349,94.622 77.349,91.715
+3V3 on L1 (SIG) "NONET_L-01_P-001" (solid, pour order 595): 69.983,91.715 69.983,94.622 68.349,94.622 68.349,91.715
+3V3 on L1 (SIG) "NONET_L-01_P-001" (solid, pour order 579): 60.983,91.715 60.983,94.622 59.349,94.622 59.349,91.715
+3V3 on L1 (SIG) "NONET_L-01_P-001" (solid, pour order 563): 51.983,91.715 51.983,94.622 50.349,94.622 50.349,91.715
+3V3 on L1 (SIG) "NONET_L-01_P-001" (solid, pour order 547): 78.983,100.715 78.983,103.622 77.349,103.622 77.349,100.715
+3V3 on L1 (SIG) "NONET_L-01_P-001" (solid, pour order 515): 60.983,100.715 60.983,103.622 59.349,103.622 59.349,100.715
+3V3 on L1 (SIG) "NONET_L-01_P-001" (solid, pour order 499): 51.983,100.715 51.983,103.622 50.349,103.622 50.349,100.715
+3V3 on L1 (SIG) "NONET_L-01_P-001" (solid, pour order 483): 51.983,109.715 51.983,112.622 50.349,112.622 50.349,109.715
+3V3 on L1 (SIG) "NONET_L-01_P-001" (solid, pour order 467): 60.983,109.715 60.983,112.622 59.349,112.622 59.349,109.715
+3V3 on L1 (SIG) "NONET_L-01_P-001" (solid, pour order 451): 69.983,109.715 69.983,112.622 68.349,112.622 68.349,109.715
+3V3 on L1 (SIG) "NONET_L-01_P-001" (solid, pour order 435): 78.983,109.715 78.983,112.622 77.349,112.622 77.349,109.715
+3V3 on L1 (SIG) "NONET_L-01_P-001" (solid, pour order 419): 78.983,118.715 78.983,121.622 77.349,121.622 77.349,118.715
+3V3 on L1 (SIG) "NONET_L-01_P-001" (solid, pour order 403): 69.983,118.715 69.983,121.622 68.349,121.622 68.349,118.715
+3V3 on L1 (SIG) "NONET_L-01_P-001" (solid, pour order 387): 60.983,118.715 60.983,121.622 59.349,121.622 59.349,118.715
+3V3 on L1 (SIG) "NONET_L-01_P-001" (solid, pour order 371): 51.983,118.715 51.983,121.622 50.349,121.622 50.349,118.715
+3V3 on L1 (SIG) "NONET_L-01_P-001" (solid, pour order 626): 32.371,104.02 32.756,104.405 32.756,105.52 34.006,105.52 34.006,104.02
+3V3 on L1 (SIG) "NONET_L-01_P-001" (solid, pour order 530): 34.006,100.77 34.006,104.02 32.371,104.02 32.371,100.77
+3V3 on L1 (SIG) "NONET_L-01_P-001" (solid, pour order 610): 43.006,91.77 43.006,94.677 41.371,94.677 41.371,91.77
+3V3 on L1 (SIG) "NONET_L-01_P-001" (solid, pour order 594): 34.006,91.77 34.006,94.677 32.371,94.677 32.371,91.77
+3V3 on L1 (SIG) "NONET_L-01_P-001" (solid, pour order 578): 25.006,91.77 25.006,94.677 23.371,94.677 23.371,91.77
+3V3 on L1 (SIG) "NONET_L-01_P-001" (solid, pour order 562): 16.006,91.77 16.006,94.677 14.371,94.677 14.371,91.77
+3V3 on L1 (SIG) "NONET_L-01_P-001" (solid, pour order 546): 43.006,100.77 43.006,103.677 41.371,103.677 41.371,100.77
+3V3 on L1 (SIG) "NONET_L-01_P-001" (solid, pour order 514): 25.006,100.77 25.006,103.677 23.371,103.677 23.371,100.77
+3V3 on L1 (SIG) "NONET_L-01_P-001" (solid, pour order 498): 16.006,100.77 16.006,103.677 14.371,103.677 14.371,100.77
+3V3 on L1 (SIG) "NONET_L-01_P-001" (solid, pour order 482): 16.006,109.77 16.006,112.677 14.371,112.677 14.371,109.77
+3V3 on L1 (SIG) "NONET_L-01_P-001" (solid, pour order 466): 25.006,109.77 25.006,112.677 23.371,112.677 23.371,109.77
+3V3 on L1 (SIG) "NONET_L-01_P-001" (solid, pour order 450): 34.006,109.77 34.006,112.677 32.371,112.677 32.371,109.77
+3V3 on L1 (SIG) "NONET_L-01_P-001" (solid, pour order 434): 43.006,109.77 43.006,112.677 41.371,112.677 41.371,109.77
+3V3 on L1 (SIG) "NONET_L-01_P-001" (solid, pour order 418): 43.006,118.77 43.006,121.677 41.371,121.677 41.371,118.77
+3V3 on L1 (SIG) "NONET_L-01_P-001" (solid, pour order 402): 34.006,118.77 34.006,121.677 32.371,121.677 32.371,118.77
+3V3 on L1 (SIG) "NONET_L-01_P-001" (solid, pour order 386): 25.006,118.77 25.006,121.677 23.371,121.677 23.371,118.77
+3V3 on L1 (SIG) "NONET_L-01_P-001" (solid, pour order 370): 16.006,118.77 16.006,121.677 14.371,121.677 14.371,118.77
+3V3 on L1 (SIG) "NONET_L-01_P-001" (solid, pour order 625): 140.388,140 140.773,140.385 140.773,141.5 142.023,141.5 142.023,140
+3V3 on L1 (SIG) "NONET_L-01_P-001" (solid, pour order 529): 142.023,136.75 142.023,140 140.388,140 140.388,136.75
+3V3 on L1 (SIG) "NONET_L-01_P-001" (solid, pour order 609): 151.023,127.75 151.023,130.657 149.388,130.657 149.388,127.75
+3V3 on L1 (SIG) "NONET_L-01_P-001" (solid, pour order 593): 142.023,127.75 142.023,130.657 140.388,130.657 140.388,127.75
+3V3 on L1 (SIG) "NONET_L-01_P-001" (solid, pour order 577): 133.023,127.75 133.023,130.657 131.388,130.657 131.388,127.75
+3V3 on L1 (SIG) "NONET_L-01_P-001" (solid, pour order 561): 124.023,127.75 124.023,130.657 122.388,130.657 122.388,127.75
+3V3 on L1 (SIG) "NONET_L-01_P-001" (solid, pour order 545): 151.023,136.75 151.023,139.657 149.388,139.657 149.388,136.75
+3V3 on L1 (SIG) "NONET_L-01_P-001" (solid, pour order 513): 133.023,136.75 133.023,139.657 131.388,139.657 131.388,136.75
+3V3 on L1 (SIG) "NONET_L-01_P-001" (solid, pour order 497): 124.023,136.75 124.023,139.657 122.388,139.657 122.388,136.75
+3V3 on L1 (SIG) "NONET_L-01_P-001" (solid, pour order 481): 124.023,145.75 124.023,148.657 122.388,148.657 122.388,145.75
+3V3 on L1 (SIG) "NONET_L-01_P-001" (solid, pour order 465): 133.023,145.75 133.023,148.657 131.388,148.657 131.388,145.75
+3V3 on L1 (SIG) "NONET_L-01_P-001" (solid, pour order 449): 142.023,145.75 142.023,148.657 140.388,148.657 140.388,145.75
+3V3 on L1 (SIG) "NONET_L-01_P-001" (solid, pour order 433): 151.023,145.75 151.023,148.657 149.388,148.657 149.388,145.75
+3V3 on L1 (SIG) "NONET_L-01_P-001" (solid, pour order 417): 151.023,154.75 151.023,157.657 149.388,157.657 149.388,154.75